# KiCad board control.kicad_pcb
title: Bodge Control; date: 2023-02-21; rev: 1.0.0; company: The A-Team (RC SSL); note: W. Stuckey & R. Osawa
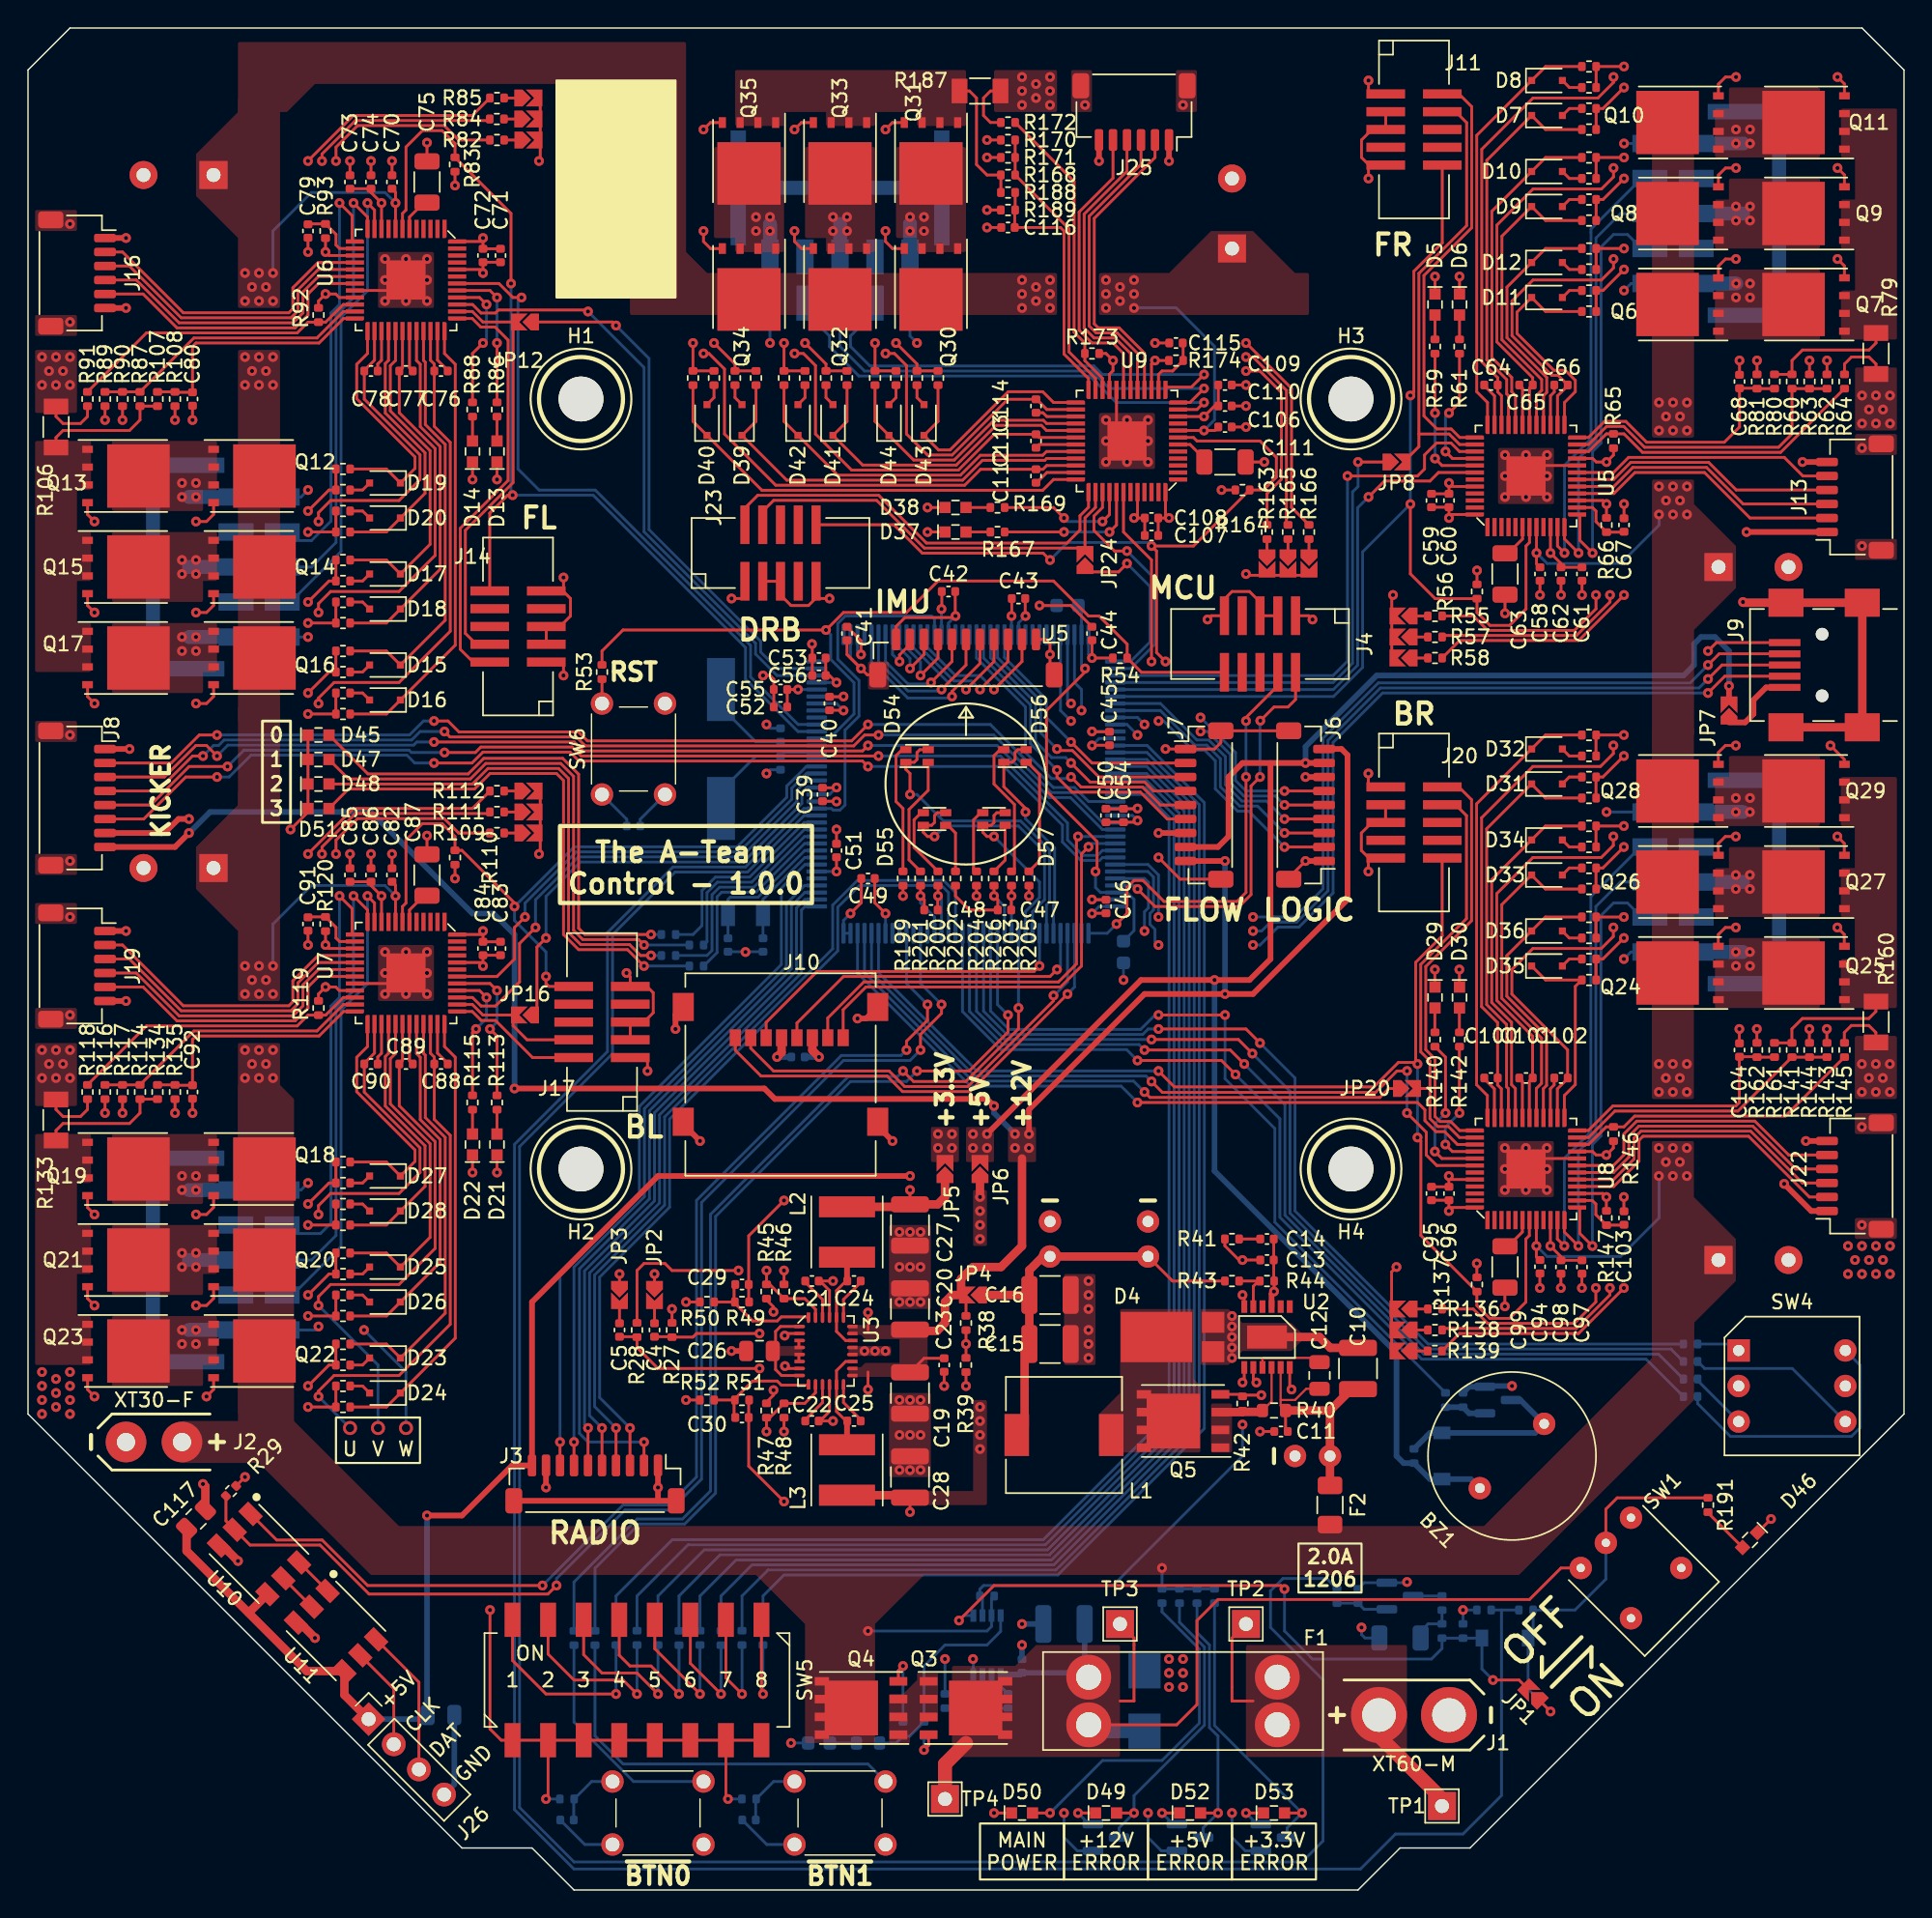
[diagram p0: board, top side]
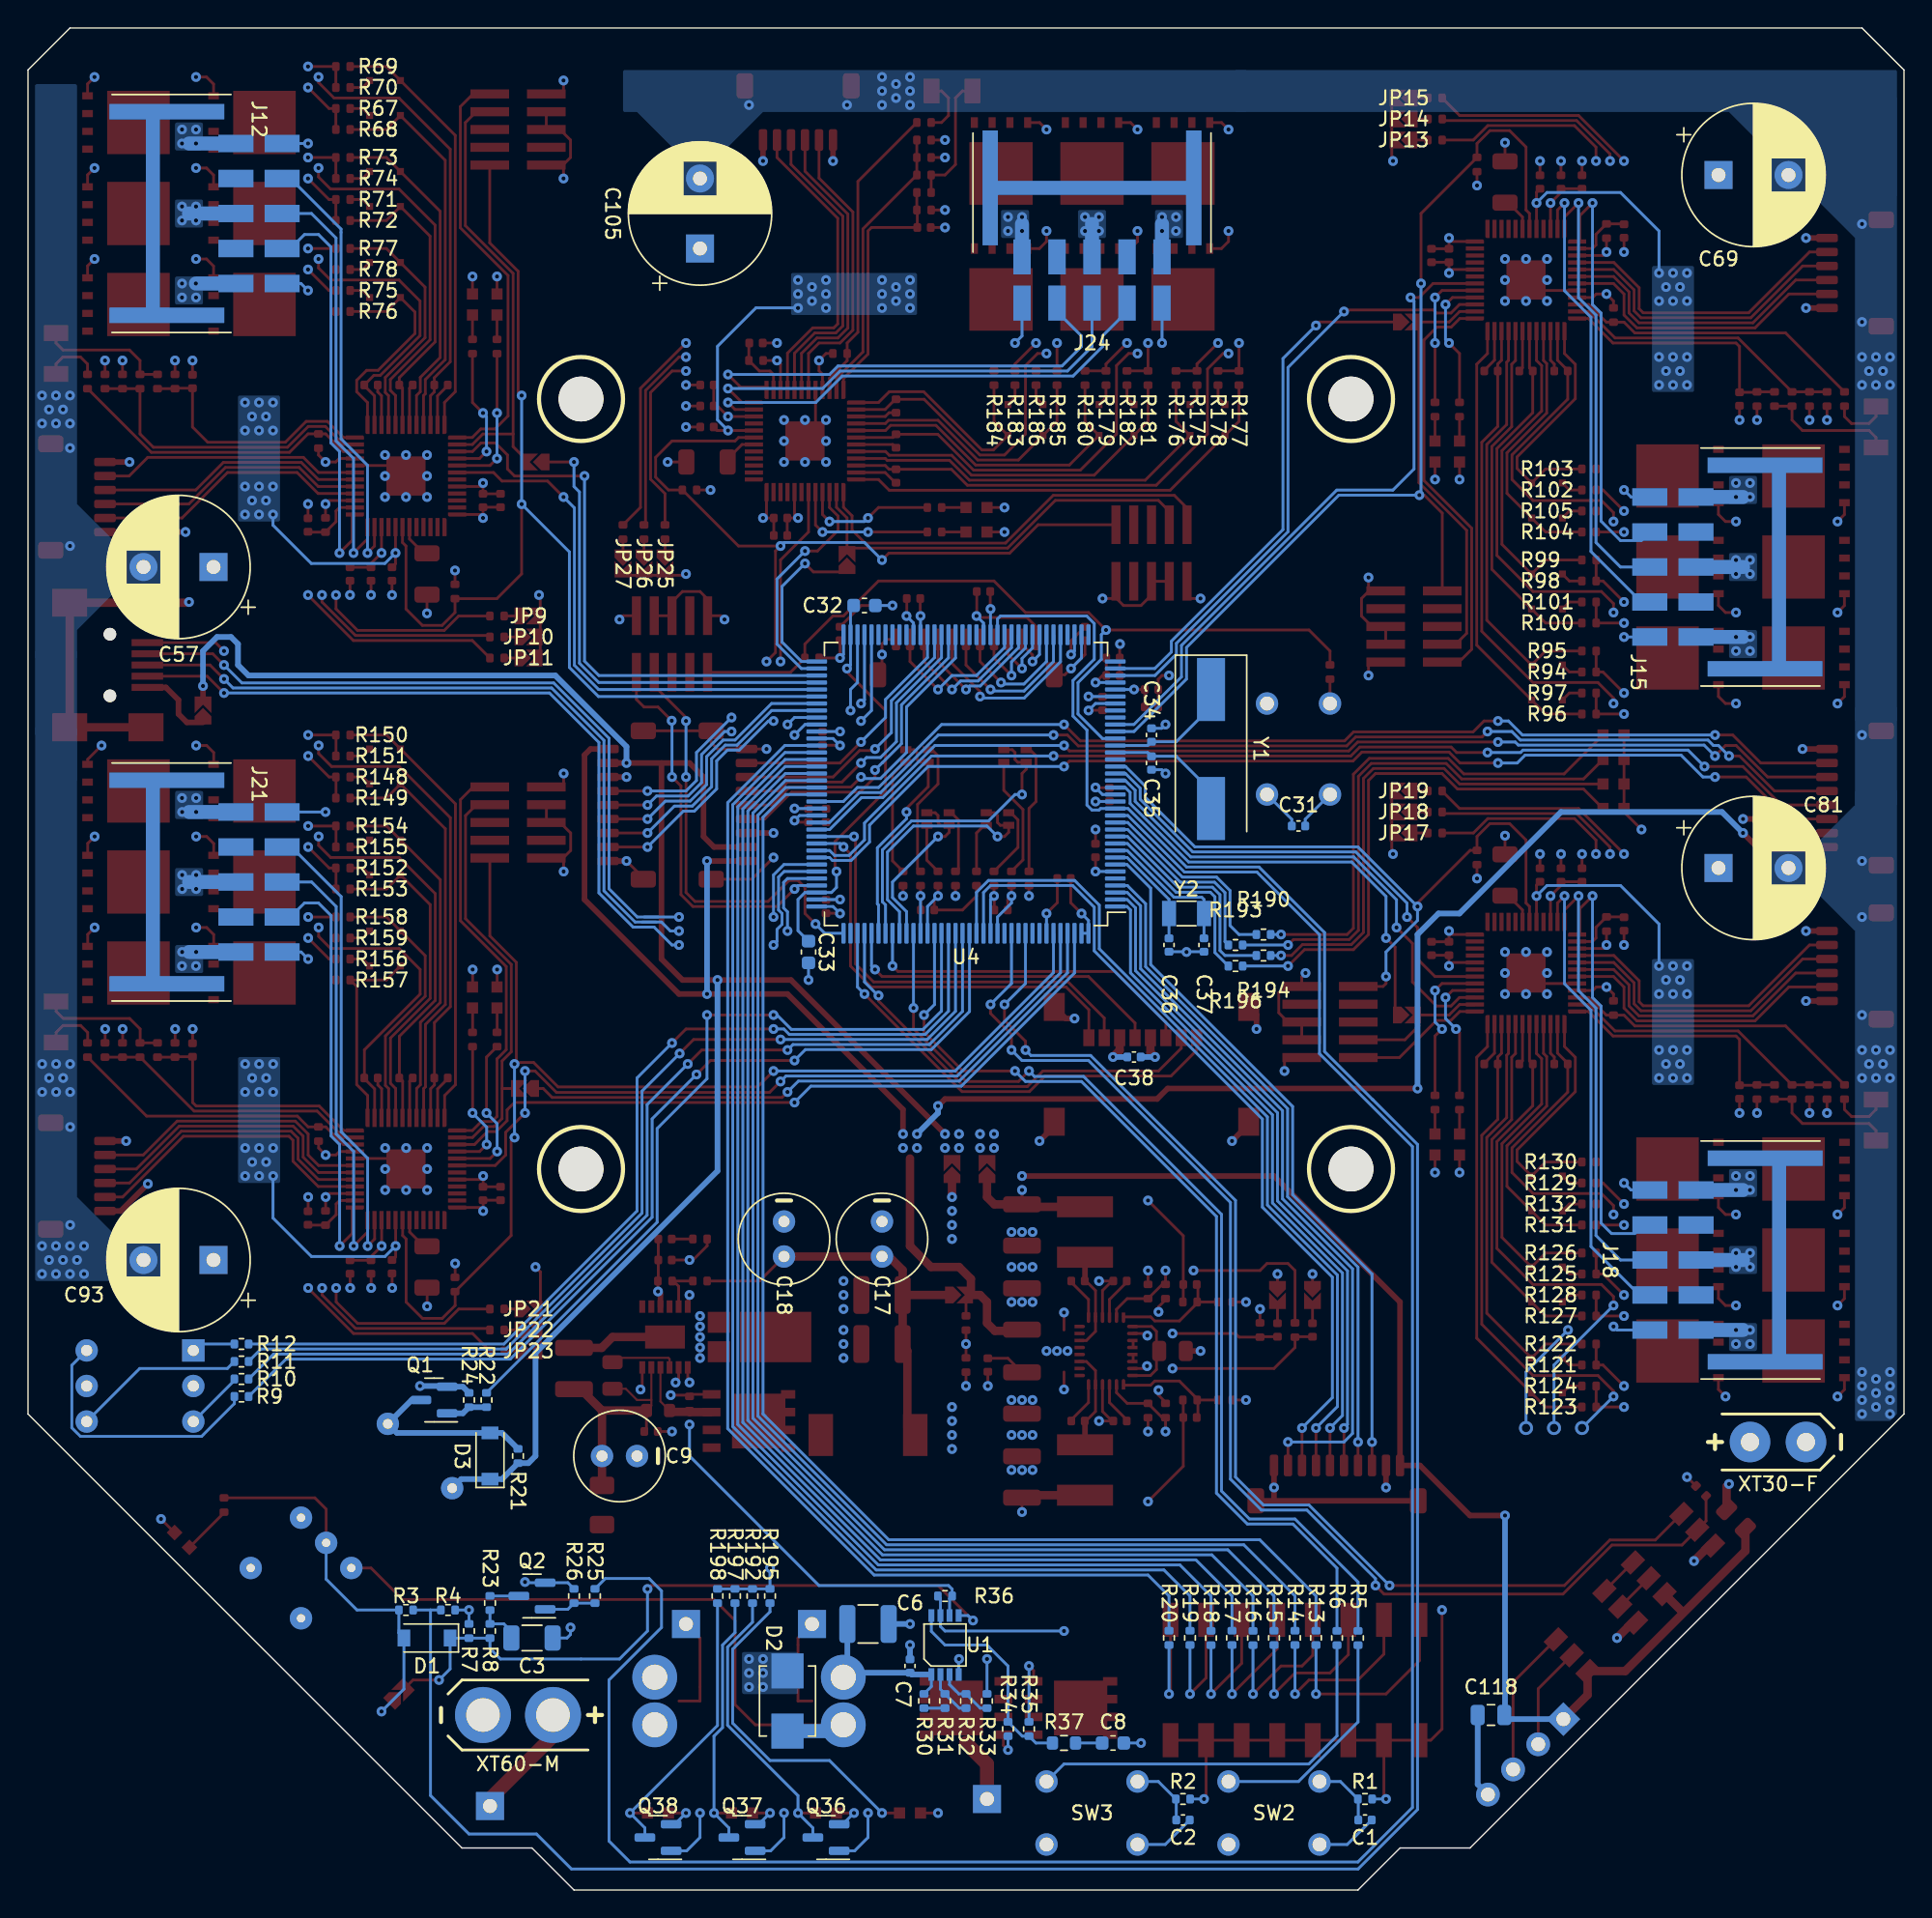
[diagram p1: board, bottom side, seen from below]

Outline 134 x 133 mm; copper layers: Top, In1.Cu, In2.Cu, Bottom. Coordinates in mm from the lower left corner of the outline.
Outline path: 0,130 3,133 131,133 134,130 134,34 103,3 98,3 95,0 39,0 36,3 31,3 0,34 0,130
Stack: Top 0.035mm / dielectric 0.2mm FR4 er 4.5 / In1.Cu 0.0175mm / dielectric 1.065mm FR4 er 4.5 / In2.Cu 0.0175mm / dielectric 0.2mm FR4 er 4.5 / Bottom 0.035mm

## Placement (name value [footprint] x y rotation side)
BZ1  -  [AT-1224-TWT-5V-2-R]  106 31 135 top
C1  0.1uF 63V  [C_0402_1005Metric]  38.5 5 180 bottom
C2  0.1uF 63V  [C_0402_1005Metric]  51.5 5 180 bottom
C3  1uF 63V  [C_1206_3216Metric]  98 18 180 bottom
C4  0.1uF 63V  [C_0402_1005Metric]  44.75 40 90 top
C5  0.1uF 63V  [C_0402_1005Metric]  42.25 40 90 top
C6  10uF 63V  [C_1210_3225Metric]  74 19 180 bottom
C7  0.1uF 63V  [C_0402_1005Metric]  71 16 90 bottom
C8  4700pF 63V  [C_0603_1608Metric]  56.5 10.5 180 bottom
C9  33uF 63V  [C_Radial_D6.3mm_H11.0mm_P2.50mm]  93 31 180 bottom
C10  10uF 63V  [C_1210_3225Metric]  95 37.25 90 top
C11  0.1uF 63V  [C_0402_1005Metric]  89.5 32.75 180 top
C12  0.47uF 63V  [C_0805_2012Metric]  92.25 36.75 90 top
C13  100pF 63V  [C_0402_1005Metric]  88.5 45 0 top
C14  3300pF 63V  [C_0402_1005Metric]  88.5 46.5 0 top
C15  10uF 63V  [C_1210_3225Metric]  73 39 0 top
C16  10uF 63V  [C_1210_3225Metric]  73 42.5 0 top
C17  33uF 63V  [C_Radial_D6.3mm_H11.0mm_P2.50mm]  73 45.25 90 bottom
C18  33uF 63V  [C_Radial_D6.3mm_H11.0mm_P2.50mm]  80 45.25 90 bottom
C19  47uF 25V  [C_1210_3225Metric]  63 35.5 270 top
C20  47uF 25V  [C_1210_3225Metric]  63 41.5 90 top
C21  0.1uF 63V  [C_0402_1005Metric]  56 43.5 0 top
C22  0.1uF 63V  [C_0402_1005Metric]  56 33.5 0 top
C23  0.1uF 63V  [C_0402_1005Metric]  65.44 37.5 270 top
C24  0.1uF 63V  [C_0402_1005Metric]  59 43.5 180 top
C25  0.1uF 63V  [C_0402_1005Metric]  59 33.5 180 top
C26  4.7uF 25V  [C_0805_2012Metric]  52.25 38.5 180 top
C27  47uF 25V  [C_1210_3225Metric]  63 47.5 270 top
C28  47uF 25V  [C_1210_3225Metric]  63 29.5 90 top
C29  22pF 10V  [C_0402_1005Metric]  51 43.25 180 top
C30  22pF 10V  [C_0402_1005Metric]  51 33.75 180 top
C31  0.1uF 63V  [C_0402_1005Metric]  43.25 76 0 bottom
C32  2.2uF 10V  [C_0603_1608Metric]  74.25 91.75 180 bottom
C33  2.2uF 10V  [C_0603_1608Metric]  78.25 67 270 bottom
C34  27pF  [C_0402_1005Metric]  53.75 82.5 90 bottom
C35  27pF  [C_0402_1005Metric]  53.75 80.5 270 bottom
C36  8pF  [C_0402_1005Metric]  52.5 67.5 270 bottom
C37  8pF  [C_0402_1005Metric]  50 67.5 270 bottom
C38  0.1uF 63V  [C_0402_1005Metric]  55 59.5 0 bottom
C39  0.1uF 63V  [C_0402_1005Metric]  56.75 78.25 270 top
C40  0.1uF 63V  [C_0402_1005Metric]  57.25 84.75 90 top
C41  0.1uF 63V  [C_0402_1005Metric]  58.5 89.75 270 top
C42  0.1uF 63V  [C_0402_1005Metric]  65.75 92.75 180 top
C43  0.1uF 63V  [C_0402_1005Metric]  70.75 92.25 180 top
C44  0.1uF 63V  [C_0402_1005Metric]  76 89.75 90 top
C45  0.1uF 63V  [C_0402_1005Metric]  77.25 82.25 90 top
C46  0.1uF 63V  [C_0402_1005Metric]  77 70.25 90 top
C47  0.1uF 63V  [C_0402_1005Metric]  69.75 70 0 top
C48  0.1uF 63V  [C_0402_1005Metric]  64.5 70 0 top
C49  0.1uF 63V  [C_0402_1005Metric]  60 72.25 0 top
C50  1uF 10V  [C_0402_1005Metric]  77 76.75 90 top
C51  0.1uF 63V  [C_0402_1005Metric]  57.75 74.25 90 top
C52  1uF 10V  [C_0402_1005Metric]  53.75 84.5 180 top
C53  1uF 10V  [C_0402_1005Metric]  56.5 88 180 top
C54  0.1uF 63V  [C_0402_1005Metric]  78.25 76.75 90 top
C55  0.1uF 63V  [C_0402_1005Metric]  53.75 85.75 180 top
C56  0.1uF 63V  [C_0402_1005Metric]  56.5 86.75 180 top
C57  270uF 35V  [CP_Radial_D10.0mm_P5.00mm]  120.75 94.5 0 bottom
C58  1uF 10V  [C_0402_1005Metric]  108 94 270 top
C59  1uF 10V  [C_0402_1005Metric]  100.25 99.25 90 top
C60  0.1uF 63V  [C_0402_1005Metric]  101.5 99.25 90 top
C61  1uF 10V  [C_0402_1005Metric]  111 94 270 top
C62  0.1uF 63V  [C_0402_1005Metric]  109.5 94 270 top
C63  1uF 63V  [C_1206_3216Metric]  105.5 94 270 top
C64  0.1uF 63V  [C_0402_1005Metric]  104.5 107.5 0 top
C65  0.1uF 63V  [C_0402_1005Metric]  107 107.5 0 top
C66  0.1uF 63V  [C_0402_1005Metric]  109.5 107.5 0 top
C67  1uF 10V  [C_0402_1005Metric]  114 97.5 90 top
C68  1uF 10V  [C_0402_1005Metric]  122.25 107.75 90 top
C69  270uF 35V  [CP_Radial_D10.0mm_P5.00mm]  13.25 122.5 180 bottom
C70  1uF 10V  [C_0402_1005Metric]  26 122 90 top
C71  1uF 10V  [C_0402_1005Metric]  33.75 116.75 270 top
C72  0.1uF 63V  [C_0402_1005Metric]  32.5 116.75 270 top
C73  1uF 10V  [C_0402_1005Metric]  23 122 90 top
C74  0.1uF 63V  [C_0402_1005Metric]  24.5 122 90 top
C75  1uF 63V  [C_1206_3216Metric]  28.5 122 90 top
C76  0.1uF 63V  [C_0402_1005Metric]  29.5 108.5 180 top
C77  0.1uF 63V  [C_0402_1005Metric]  27 108.5 180 top
C78  0.1uF 63V  [C_0402_1005Metric]  24.5 108.5 180 top
C79  1uF 10V  [C_0402_1005Metric]  20 118.5 270 top
C80  1uF 10V  [C_0402_1005Metric]  11.75 106.5 270 top
C81  270uF 35V  [CP_Radial_D10.0mm_P5.00mm]  13.25 73 180 bottom
C82  1uF 10V  [C_0402_1005Metric]  26 72.5 90 top
C83  1uF 10V  [C_0402_1005Metric]  33.75 67.25 270 top
C84  0.1uF 63V  [C_0402_1005Metric]  32.5 67.25 270 top
C85  1uF 10V  [C_0402_1005Metric]  23 72.5 90 top
C86  0.1uF 63V  [C_0402_1005Metric]  24.5 72.5 90 top
C87  1uF 63V  [C_1206_3216Metric]  28.5 72.5 90 top
C88  0.1uF 63V  [C_0402_1005Metric]  29.5 59 180 top
C89  0.1uF 63V  [C_0402_1005Metric]  27 59 180 top
C90  0.1uF 63V  [C_0402_1005Metric]  24.5 59 180 top
C91  1uF 10V  [C_0402_1005Metric]  20 69 270 top
C92  1uF 10V  [C_0402_1005Metric]  11.75 57 270 top
C93  270uF 35V  [CP_Radial_D10.0mm_P5.00mm]  120.75 45 0 bottom
C94  1uF 10V  [C_0402_1005Metric]  108 44.52 270 top
C95  1uF 10V  [C_0402_1005Metric]  100.25 49.75 90 top
C96  0.1uF 63V  [C_0402_1005Metric]  101.5 49.75 90 top
C97  1uF 10V  [C_0402_1005Metric]  111 44.5 270 top
C98  0.1uF 63V  [C_0402_1005Metric]  109.5 44.5 270 top
C99  1uF 63V  [C_1206_3216Metric]  105.5 44.5 270 top
C100  0.1uF 63V  [C_0402_1005Metric]  104.5 58 0 top
C101  0.1uF 63V  [C_0402_1005Metric]  107 58 0 top
C102  0.1uF 63V  [C_0402_1005Metric]  109.5 58 0 top
C103  1uF 10V  [C_0402_1005Metric]  114 48 90 top
C104  1uF 10V  [C_0402_1005Metric]  122.25 60 90 top
C105  270uF 35V  [CP_Radial_D10.0mm_P5.00mm]  86 117.25 90 bottom
C106  1uF 10V  [C_0402_1005Metric]  85.5 104.5 0 top
C107  1uF 10V  [C_0402_1005Metric]  80.25 96.75 180 top
C108  0.1uF 63V  [C_0402_1005Metric]  80.25 98 180 top
C109  1uF 10V  [C_0402_1005Metric]  85.5 107.5 0 top
C110  0.1uF 63V  [C_0402_1005Metric]  85.5 106 0 top
C111  1uF 63V  [C_1206_3216Metric]  85.5 102 0 top
C112  0.1uF 63V  [C_0402_1005Metric]  72 101 90 top
C113  0.1uF 63V  [C_0402_1005Metric]  72 103.5 90 top
C114  0.1uF 63V  [C_0402_1005Metric]  72 106 90 top
C115  1uF 10V  [C_0402_1005Metric]  82 110.5 180 top
C116  1uF 10V  [C_0402_1005Metric]  70 118.75 180 top
C117  4.7uF 25V  [C_0805_2012Metric]  12 26.5 225 top
C118  4.7uF 25V  [C_0805_2012Metric]  29.5 12.5 180 bottom
D1  BAT46W  [D_SOD-123]  105.5 18 0 bottom
D2  824521261  [D_SMB_Non-Polar]  79.75 13.5 270 bottom
D3  BAT46W  [D_SOD-123]  101 31 90 bottom
D4  SVT10100U_R1_00001  [TO-277]  81.75 39.5 0 top
D5  Green  [LED0603]  100.5 113.25 270 top
D6  Red  [LED0603]  102.25 113.25 270 top
D7  1N4148WS  [D_SOD-323F]  108.5 126.75 0 top
D8  1N4148WS  [D_SOD-323F]  108.5 129.25 0 top
D9  1N4148WS  [D_SOD-323F]  108.5 120.25 0 top
D10  1N4148WS  [D_SOD-323F]  108.5 122.75 0 top
D11  1N4148WS  [D_SOD-323F]  108.5 113.75 0 top
D12  1N4148WS  [D_SOD-323F]  108.5 116.25 0 top
D13  Green  [LED0603]  33.5 102.75 90 top
D14  Red  [LED0603]  31.75 102.75 90 top
D15  1N4148WS  [D_SOD-323F]  25.5 87.5 180 top
D16  1N4148WS  [D_SOD-323F]  25.5 85 180 top
D17  1N4148WS  [D_SOD-323F]  25.5 94 180 top
D18  1N4148WS  [D_SOD-323F]  25.5 91.5 180 top
D19  1N4148WS  [D_SOD-323F]  25.5 100.5 180 top
D20  1N4148WS  [D_SOD-323F]  25.5 98 180 top
D21  Green  [LED0603]  33.5 53.25 90 top
D22  Red  [LED0603]  31.75 53.25 90 top
D23  1N4148WS  [D_SOD-323F]  25.5 38 180 top
D24  1N4148WS  [D_SOD-323F]  25.5 35.5 180 top
D25  1N4148WS  [D_SOD-323F]  25.5 44.5 180 top
D26  1N4148WS  [D_SOD-323F]  25.5 42 180 top
D27  1N4148WS  [D_SOD-323F]  25.5 51 180 top
D28  1N4148WS  [D_SOD-323F]  25.5 48.5 180 top
D29  Green  [LED0603]  100.5 63.75 270 top
D30  Red  [LED0603]  102.25 63.75 270 top
D31  1N4148WS  [D_SOD-323F]  108.5 79 0 top
D32  1N4148WS  [D_SOD-323F]  108.5 81.5 0 top
D33  1N4148WS  [D_SOD-323F]  108.5 72.5 0 top
D34  1N4148WS  [D_SOD-323F]  108.5 75 0 top
D35  1N4148WS  [D_SOD-323F]  108.5 66 0 top
D36  1N4148WS  [D_SOD-323F]  108.5 68.5 0 top
D37  Green  [LED0603]  66.25 97 0 top
D38  Red  [LED0603]  66.25 98.75 0 top
D39  1N4148WS  [D_SOD-323F]  51 105 90 top
D40  1N4148WS  [D_SOD-323F]  48.5 105 90 top
D41  1N4148WS  [D_SOD-323F]  57.5 105 90 top
D42  1N4148WS  [D_SOD-323F]  55 105 90 top
D43  1N4148WS  [D_SOD-323F]  64 105 90 top
D44  1N4148WS  [D_SOD-323F]  61.5 105 90 top
D45  Green  [LED0603]  20.75 82.5 0 top
D46  Green  [LED0603]  123 25 225 top
D47  Green  [LED0603]  20.75 80.75 0 top
D48  Green  [LED0603]  20.75 79 0 top
D49  Red  [LED0603]  77 5.5 0 top
D50  Green  [LED0603]  71 5.5 0 top
D51  Green  [LED0603]  20.75 77.25 0 top
D52  Red  [LED0603]  83 5.5 0 top
D53  Red  [LED0603]  89 5.5 0 top
D54  Green/Red  [LED0606_CCW]  63.5 81 90 top
D55  Green/Red  [LED0606_CCW]  64.75 76.5 90 top
D56  Green/Red  [LED0606_CCW]  70.5 81 90 top
D57  Green/Red  [LED0606_CCW]  69 76.5 90 top
F1  15A  [3557-2]  82.5 13.5 180 top
F2  2.0A  [Fuse_1206_3216Metric]  93 27.5 90 top
H1  M3  [MountingHole_3.2mm_M3]  39.5 106.5 0 top
H2  M3  [MountingHole_3.2mm_M3]  39.5 51.5 0 top
H3  M3  [MountingHole_3.2mm_M3]  94.5 106.5 0 top
H4  M3  [MountingHole_3.2mm_M3]  94.5 51.5 0 top
J1  XT60-M  [XT60-M_TH_WireMount]  99 12.5 180 top
J2  XT30-F  [XT30-F_TH_WireMount]  9 32 0 top
J3  BM10B-SRSS-TB  [JST_SH_BM10B-SRSS-TB_1x10-1MP_P1.00mm_Vertical]  40.5 29 180 top
J4  ARM_SWD  [3221-10-0300-00]  88 89 270 top
J5  BM11B-SRSS-TB  [JST_SH_BM11B-SRSS-TB_1x11-1MP_P1.00mm_Vertical]  67 88 180 top
J6  BM09B-SRSS-TB  [JST_SH_BM09B-SRSS-TB_1x09-1MP_P1.00mm_Vertical]  91.25 77.5 90 top
J7  BM09B-SRSS-TB  [JST_SH_BM09B-SRSS-TB_1x09-1MP_P1.00mm_Vertical]  84 77.5 270 top
J8  SM08B-SRSS-TB  [JST_SH_SM08B-SRSS-TB_1x08-1MP_P1.00mm_Horizontal]  3.5 78 270 top
J9  -  [10033527-N3112MLF]  134 87.5 90 top
J10  -  [MEM2067-02-180-00-A]  53.75 58.25 180 top
J11  ARM_SWD  [3221-10-0300-00]  99 125.75 0 top
J12  -  [1054052110]  117.5 119.75 270 bottom
J13  SM06B-SRSS-TB  [JST_SH_SM06B-SRSS-TB_1x06-1MP_P1.00mm_Horizontal]  130.5 99.5 90 top
J14  ARM_SWD  [3221-10-0300-00]  35 90.25 180 top
J15  -  [1054052110]  16.51 94.5 90 bottom
J16  SM06B-SRSS-TB  [JST_SH_SM06B-SRSS-TB_1x06-1MP_P1.00mm_Horizontal]  3.5 115.5 270 top
J17  ARM_SWD  [3221-10-0300-00]  41 62 180 top
J18  -  [1054052110]  16.5 45 90 bottom
J19  SM06B-SRSS-TB  [JST_SH_SM06B-SRSS-TB_1x06-1MP_P1.00mm_Horizontal]  3.5 66 270 top
J20  ARM_SWD  [3221-10-0300-00]  99 76.25 0 top
J21  -  [1054052110]  117.5 72 270 bottom
J22  SM06B-SRSS-TB  [JST_SH_SM06B-SRSS-TB_1x06-1MP_P1.00mm_Horizontal]  130.5 51 90 top
J23  ARM_SWD  [3221-10-0300-00]  53.75 95.5 90 top
J24  -  [1054052110]  58 115 0 bottom
J25  SM06B-SRSS-TB  [JST_SH_SM06B-SRSS-TB_1x06-1MP_P1.00mm_Horizontal]  79 127 180 top
J26  ExternalDotStar  [PinSocket_1x04_P2.54mm_Vertical]  24.33 12.2 45 top
JP1  BYPASS_SHUTDOWN_DELAY  [SolderJumper-2_2.0x1.2mm_Open]  107.5 14 135 top
JP2  EN_SEQ_{+3v3}  [SolderJumper-2_2.0x1.2mm_Open]  44.75 42.5 270 top
JP3  EN_SEQ_{+5v0}  [SolderJumper-2_2.0x1.2mm_Closed]  42.25 42.5 270 top
JP4  SB_{+12v0}  [SolderJumper-2_2.0x1.2mm_Closed]  67.5 42.5 180 top
JP5  SB_{+3v3}  [SolderJumper-2_2.0x1.2mm_Closed]  65.5 51.5 90 top
JP6  SB_{+5v0}  [SolderJumper-2_2.0x1.2mm_Closed]  68 51.5 90 top
JP7  USB_OTG_VBUS  [SolderJumper-2_2.0x1.2mm_Open]  121.5 84.25 90 top
JP8  SPIN_{DEBUG}  [SolderJumper-2_2.0x1.2mm_Closed]  97.75 102 0 top
JP9  PU_HALL_{1}  [SolderJumper-2_2.0x1.2mm_Closed]  98.25 91 180 top
JP10  PU_HALL_{2}  [SolderJumper-2_2.0x1.2mm_Closed]  98.25 89.5 180 top
JP11  PU_HALL_{3}  [SolderJumper-2_2.0x1.2mm_Closed]  98.25 88 180 top
JP12  SPIN_{DEBUG}  [SolderJumper-2_2.0x1.2mm_Closed]  35.5 112 180 top
JP13  PU_HALL_{1}  [SolderJumper-2_2.0x1.2mm_Closed]  35.75 125 0 top
JP14  PU_HALL_{2}  [SolderJumper-2_2.0x1.2mm_Closed]  35.74 126.5 0 top
JP15  PU_HALL_{3}  [SolderJumper-2_2.0x1.2mm_Closed]  35.74 128 0 top
JP16  SPIN_{DEBUG}  [SolderJumper-2_2.0x1.2mm_Closed]  35.5 62.5 180 top
JP17  PU_HALL_{1}  [SolderJumper-2_2.0x1.2mm_Closed]  35.75 75.5 0 top
JP18  PU_HALL_{2}  [SolderJumper-2_2.0x1.2mm_Closed]  35.75 77 0 top
JP19  PU_HALL_{3}  [SolderJumper-2_2.0x1.2mm_Closed]  35.75 78.5 0 top
JP20  SPIN_{DEBUG}  [SolderJumper-2_2.0x1.2mm_Closed]  98.5 57.25 0 top
JP21  PU_HALL_{1}  [SolderJumper-2_2.0x1.2mm_Closed]  98.25 41.5 180 top
JP22  PU_HALL_{2}  [SolderJumper-2_2.0x1.2mm_Closed]  98.25 40 180 top
JP23  PU_HALL_{3}  [SolderJumper-2_2.0x1.2mm_Closed]  98.25 38.5 180 top
JP24  SPIN_{DEBUG}  [SolderJumper-2_2.0x1.2mm_Closed]  75.5 95 90 top
JP25  PU_HALL_{1}  [SolderJumper-2_2.0x1.2mm_Closed]  88.5 94.75 270 top
JP26  PU_HALL_{2}  [SolderJumper-2_2.0x1.2mm_Closed]  90 94.75 270 top
JP27  PU_HALL_{3}  [SolderJumper-2_2.0x1.2mm_Closed]  91.5 94.75 270 top
L1  1217AS-H-220M=P3  [DEM8045C]  74 32.5 180 top
L2  NRS5040T4R7NMGK  [NRx-5040]  58.5 47 90 top
L3  NRS5040T4R7NMGK  [NRx-5040]  58.5 30 270 top
Q1  BSS138K  [SOT-23]  105 35 0 bottom
Q2  BSS138K  [SOT-23]  98 21 0 bottom
Q3  SQJA80EP-T1_GE3  [PowerPAK_SO-8L_Single]  67 13 0 top
Q4  SQJA80EP-T1_GE3  [PowerPAK_SO-8L_Single]  59.5 13 180 top
Q5  SI7465DP-T1-GE3  [PowerPAK_SO-8L_Single]  82.5 33.5 180 top
Q6  MCAC60N10Y-TP  [DFN5060]  118 113.25 180 top
Q7  MCAC60N10Y-TP  [DFN5060]  127 113.25 180 top
Q8  MCAC60N10Y-TP  [DFN5060]  118 119.75 180 top
Q9  MCAC60N10Y-TP  [DFN5060]  127 119.75 180 top
Q10  MCAC60N10Y-TP  [DFN5060]  118 126.25 180 top
Q11  MCAC60N10Y-TP  [DFN5060]  127 126.25 180 top
Q12  MCAC60N10Y-TP  [DFN5060]  16 101 0 top
Q13  MCAC60N10Y-TP  [DFN5060]  7 101 0 top
Q14  MCAC60N10Y-TP  [DFN5060]  16 94.5 0 top
Q15  MCAC60N10Y-TP  [DFN5060]  7 94.5 0 top
Q16  MCAC60N10Y-TP  [DFN5060]  16 88 0 top
Q17  MCAC60N10Y-TP  [DFN5060]  7 88 0 top
Q18  MCAC60N10Y-TP  [DFN5060]  16 51.5 0 top
Q19  MCAC60N10Y-TP  [DFN5060]  7 51.5 0 top
Q20  MCAC60N10Y-TP  [DFN5060]  16 45 0 top
Q21  MCAC60N10Y-TP  [DFN5060]  7 45 0 top
Q22  MCAC60N10Y-TP  [DFN5060]  16 38.5 0 top
Q23  MCAC60N10Y-TP  [DFN5060]  7 38.5 0 top
Q24  MCAC60N10Y-TP  [DFN5060]  118 65.5 180 top
Q25  MCAC60N10Y-TP  [DFN5060]  127 65.5 180 top
Q26  MCAC60N10Y-TP  [DFN5060]  118 72 180 top
Q27  MCAC60N10Y-TP  [DFN5060]  127 72 180 top
Q28  MCAC60N10Y-TP  [DFN5060]  118 78.5 180 top
Q29  MCAC60N10Y-TP  [DFN5060]  127 78.5 180 top
Q30  MCAC60N10Y-TP  [DFN5060]  64.5 114.5 270 top
Q31  MCAC60N10Y-TP  [DFN5060]  64.5 123.5 270 top
Q32  MCAC60N10Y-TP  [DFN5060]  58 114.5 270 top
Q33  MCAC60N10Y-TP  [DFN5060]  58 123.5 270 top
Q34  MCAC60N10Y-TP  [DFN5060]  51.5 114.5 270 top
Q35  MCAC60N10Y-TP  [DFN5060]  51.5 123.5 270 top
Q36  BSS138K  [SOT-23]  77 3.75 0 bottom
Q37  BSS138K  [SOT-23]  83 3.75 0 bottom
Q38  BSS138K  [SOT-23]  89 3.75 0 bottom
R1  10k  [R_0402_1005Metric]  38.5 6.5 180 bottom
R2  10k  [R_0402_1005Metric]  51.5 6.5 180 bottom
R3  130k  [R_0402_1005Metric]  107 20 0 bottom
R4  16k  [R_0402_1005Metric]  104 20 0 bottom
R5  100  [R_0402_1005Metric]  39 18 90 bottom
R6  100  [R_0402_1005Metric]  40.5 18 90 bottom
R7  910k  [R_0402_1005Metric]  102.5 18.5 90 bottom
R8  10k  [R_0402_1005Metric]  101 18.5 270 bottom
R9  10k  [R_0402_1005Metric]  118.75 35.25 0 bottom
R10  10k  [R_0402_1005Metric]  118.75 36.5 0 bottom
R11  10k  [R_0402_1005Metric]  118.75 37.75 0 bottom
R12  10k  [R_0402_1005Metric]  118.75 39 0 bottom
R13  10k  [R_0402_1005Metric]  42 18.01 270 bottom
R14  10k  [R_0402_1005Metric]  43.5 18.01 270 bottom
R15  10k  [R_0402_1005Metric]  45 18.01 270 bottom
R16  10k  [R_0402_1005Metric]  46.5 18 270 bottom
R17  10k  [R_0402_1005Metric]  48 18.01 270 bottom
R18  10k  [R_0402_1005Metric]  49.5 18 270 bottom
R19  10k  [R_0402_1005Metric]  51 18.01 270 bottom
R20  10k  [R_0402_1005Metric]  52.5 18.01 270 bottom
R21  10k  [R_0402_1005Metric]  99 31 270 bottom
R22  10  [R_0402_1005Metric]  101.25 35 270 bottom
R23  10k  [R_0402_1005Metric]  101 20.5 90 bottom
R24  10k  [R_0402_1005Metric]  102.5 35 270 bottom
R25  10  [R_0402_1005Metric]  93.5 21 270 bottom
R26  100k  [R_0402_1005Metric]  95 21 90 bottom
R27  82k  [R_0402_1005Metric]  46 40 90 top
R28  82k  [R_0402_1005Metric]  43.5 40 90 top
R29  10k  [R_0402_1005Metric]  14.5 28.5 225 top
R30  5.1M  [R_0402_1005Metric]  70 13.5 270 bottom
R31  4.3M  [R_0402_1005Metric]  68.5 13.5 90 bottom
R32  147k  [R_0402_1005Metric]  67 13.5 90 bottom
R33  154k  [R_0402_1005Metric]  65.5 13.5 270 bottom
R34  10  [R_0402_1005Metric]  64 11.5 90 bottom
R35  10  [R_0402_1005Metric]  62.5 11.5 90 bottom
R36  100k  [R_0402_1005Metric]  68.5 21 180 bottom
R37  5.1k  [R_0603_1608Metric]  60 10.5 180 bottom
R38  54.9k  [R_0402_1005Metric]  67 40.5 90 top
R39  40.2k  [R_0402_1005Metric]  67 37.5 90 top
R40  30m 1/3W  [R_0603_1608Metric]  89 34.25 180 top
R41  11.3k  [R_0402_1005Metric]  86 46.5 180 top
R42  100k  [R_0402_1005Metric]  86.75 34.75 90 top
R43  845k  [R_0402_1005Metric]  86 43.5 0 top
R44  60.4k  [R_0402_1005Metric]  88.5 43.5 0 top
R45  54.9k  [R_0402_1005Metric]  52.75 42.75 270 top
R46  40.2k  [R_0402_1005Metric]  54 42.75 270 top
R47  54.9k  [R_0402_1005Metric]  52.75 34.25 90 top
R48  40.2k  [R_0402_1005Metric]  54 34.25 90 top
R49  45.3k  [R_0402_1005Metric]  51 42 180 top
R50  10k  [R_0402_1005Metric]  48.5 42 180 top
R51  73.2k  [R_0402_1005Metric]  51 35 180 top
R52  10k  [R_0402_1005Metric]  48.5 35 180 top
R53  100  [R_0402_1005Metric]  41 87 90 top
R54  10k  [R_0402_1005Metric]  78 88 180 top
R55  10k  [R_0402_1005Metric]  100.5 91 0 top
R56  10k  [R_0402_1005Metric]  103.5 92.75 270 top
R57  10k  [R_0402_1005Metric]  100.5 89.5 0 top
R58  10k  [R_0402_1005Metric]  100.5 88 0 top
R59  10k  [R_0402_1005Metric]  100.5 110.25 90 top
R60  2.37k  [R_0402_1005Metric]  126 107.75 270 top
R61  10k  [R_0402_1005Metric]  102.25 110.25 90 top
R62  649k  [R_0402_1005Metric]  128.5 107.75 270 top
R63  53.6k  [R_0402_1005Metric]  127.25 107.75 90 top
R64  10k  [R_0402_1005Metric]  129.75 107.75 270 top
R65  26.7k  [R_0402_1005Metric]  113.25 103.5 270 top